# KiCad board panel.kicad_pcb
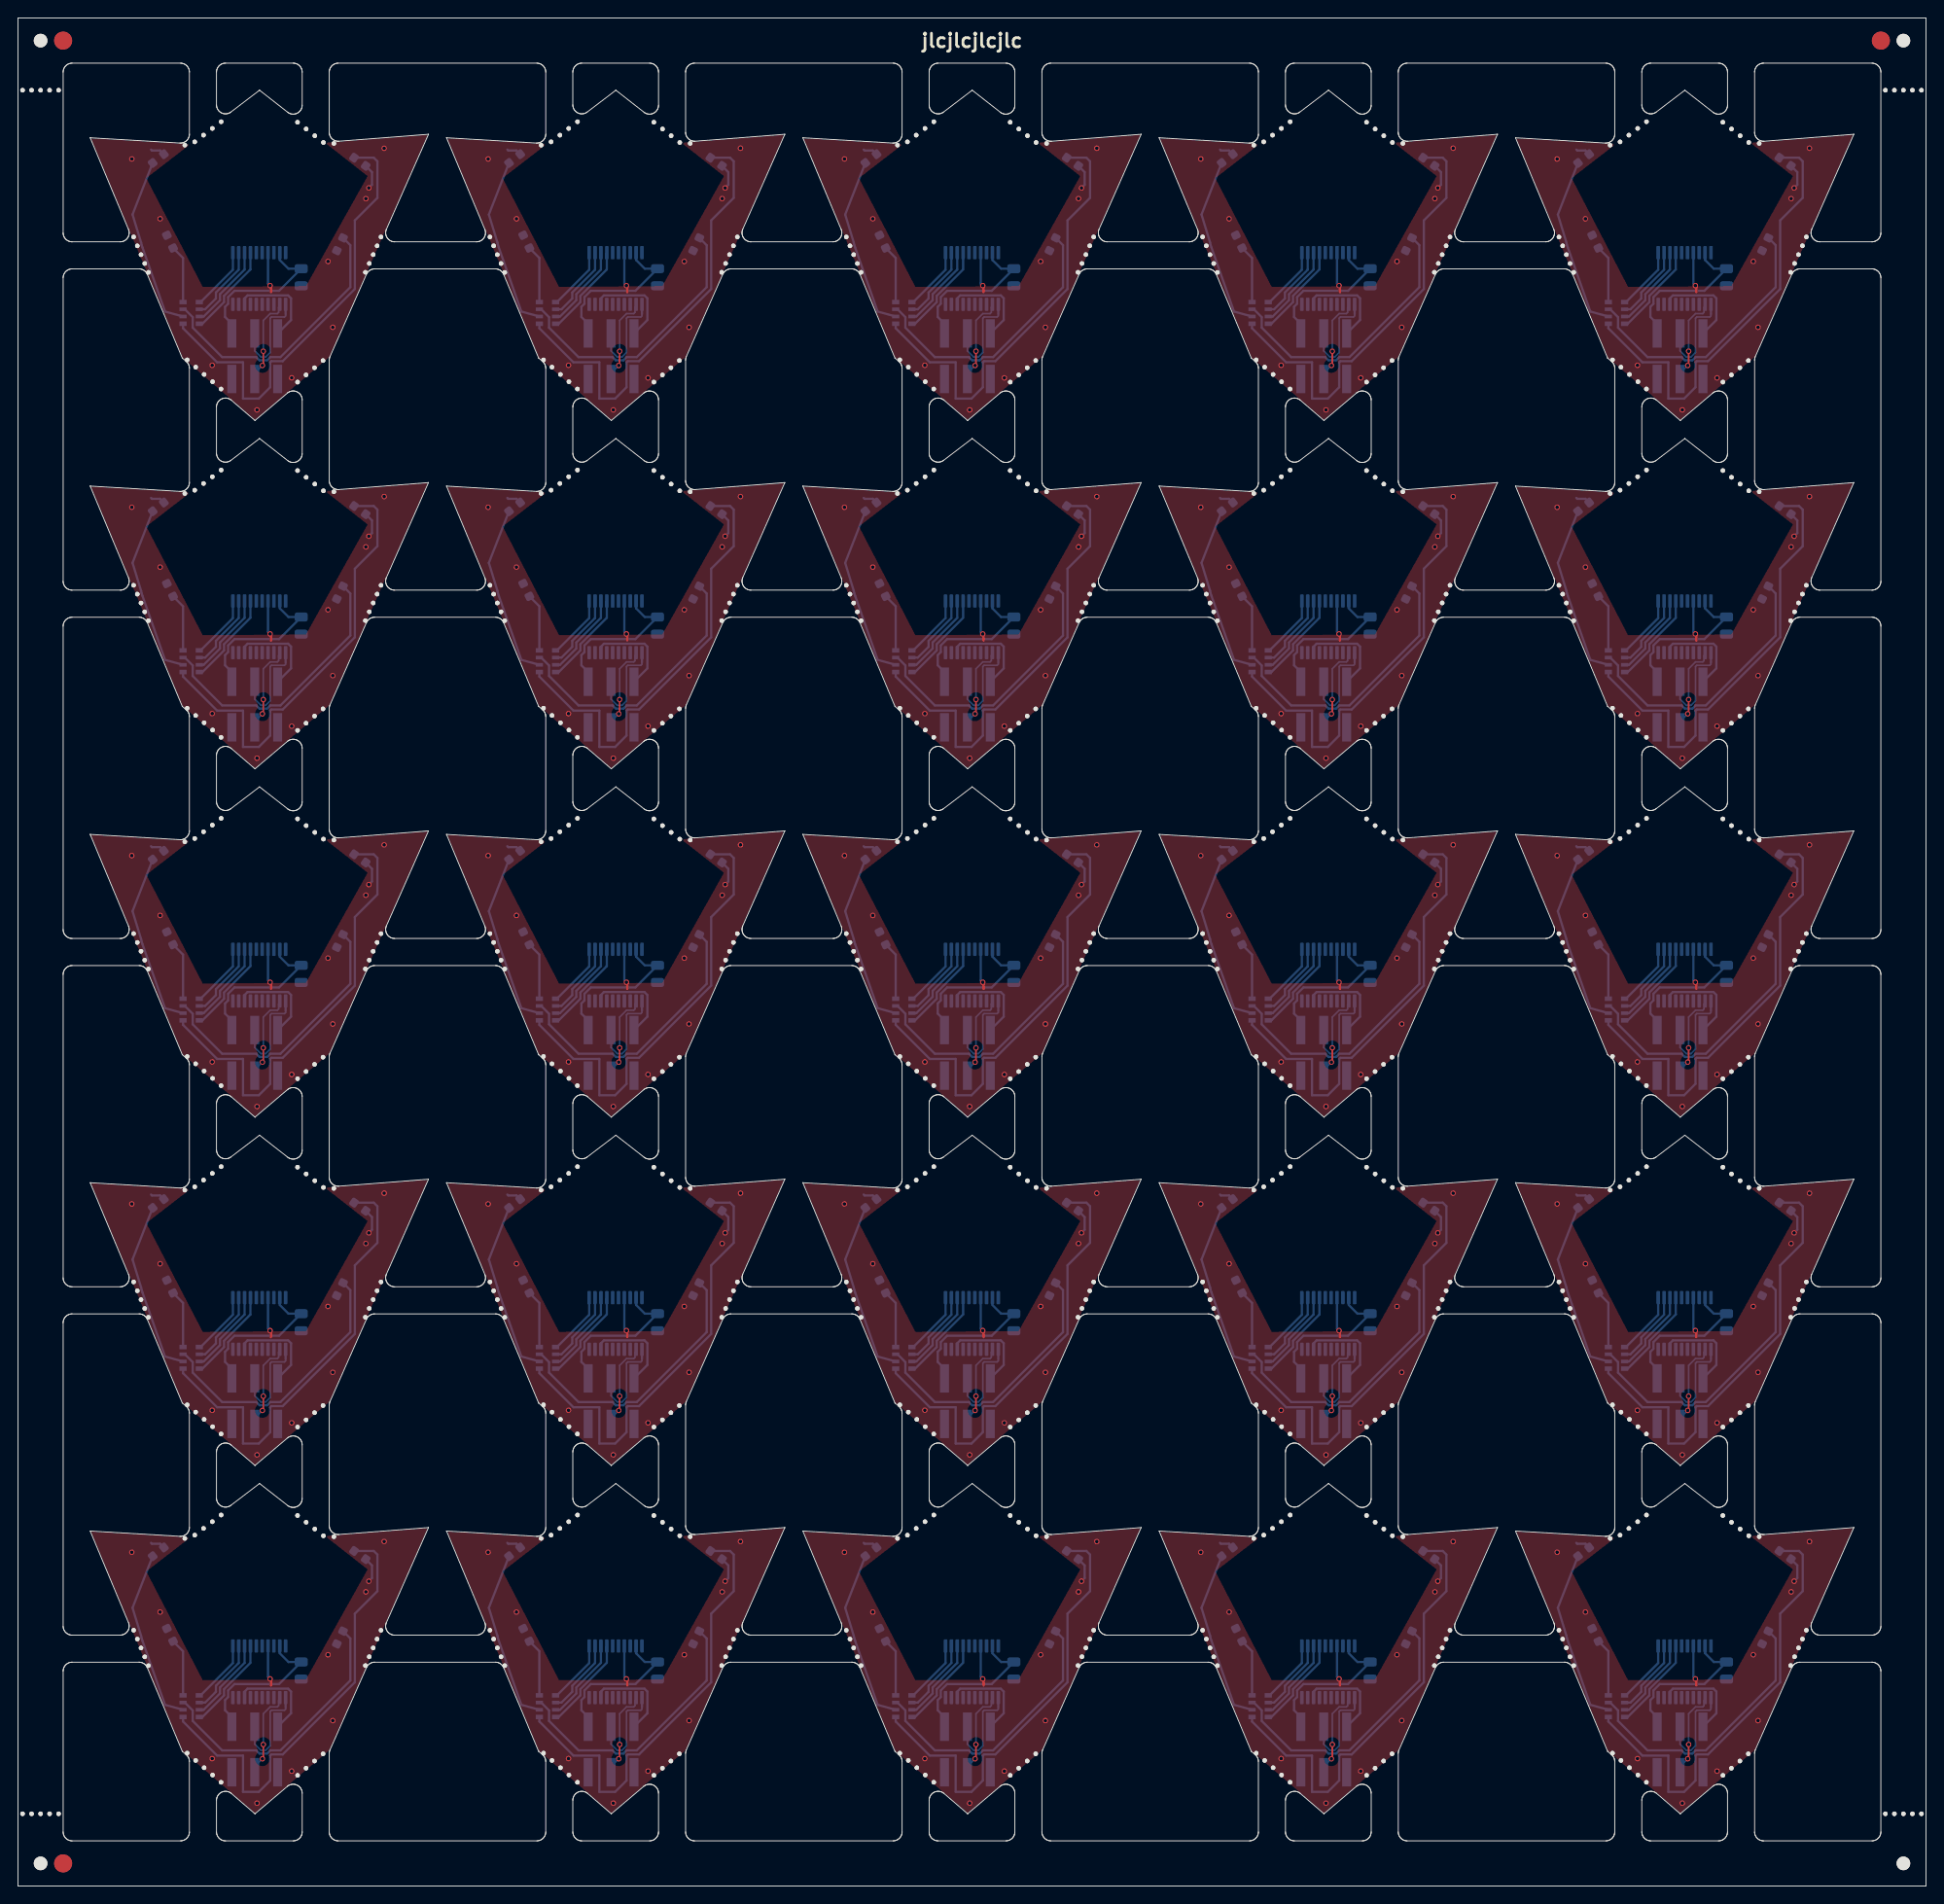
[diagram p0: board, top side]
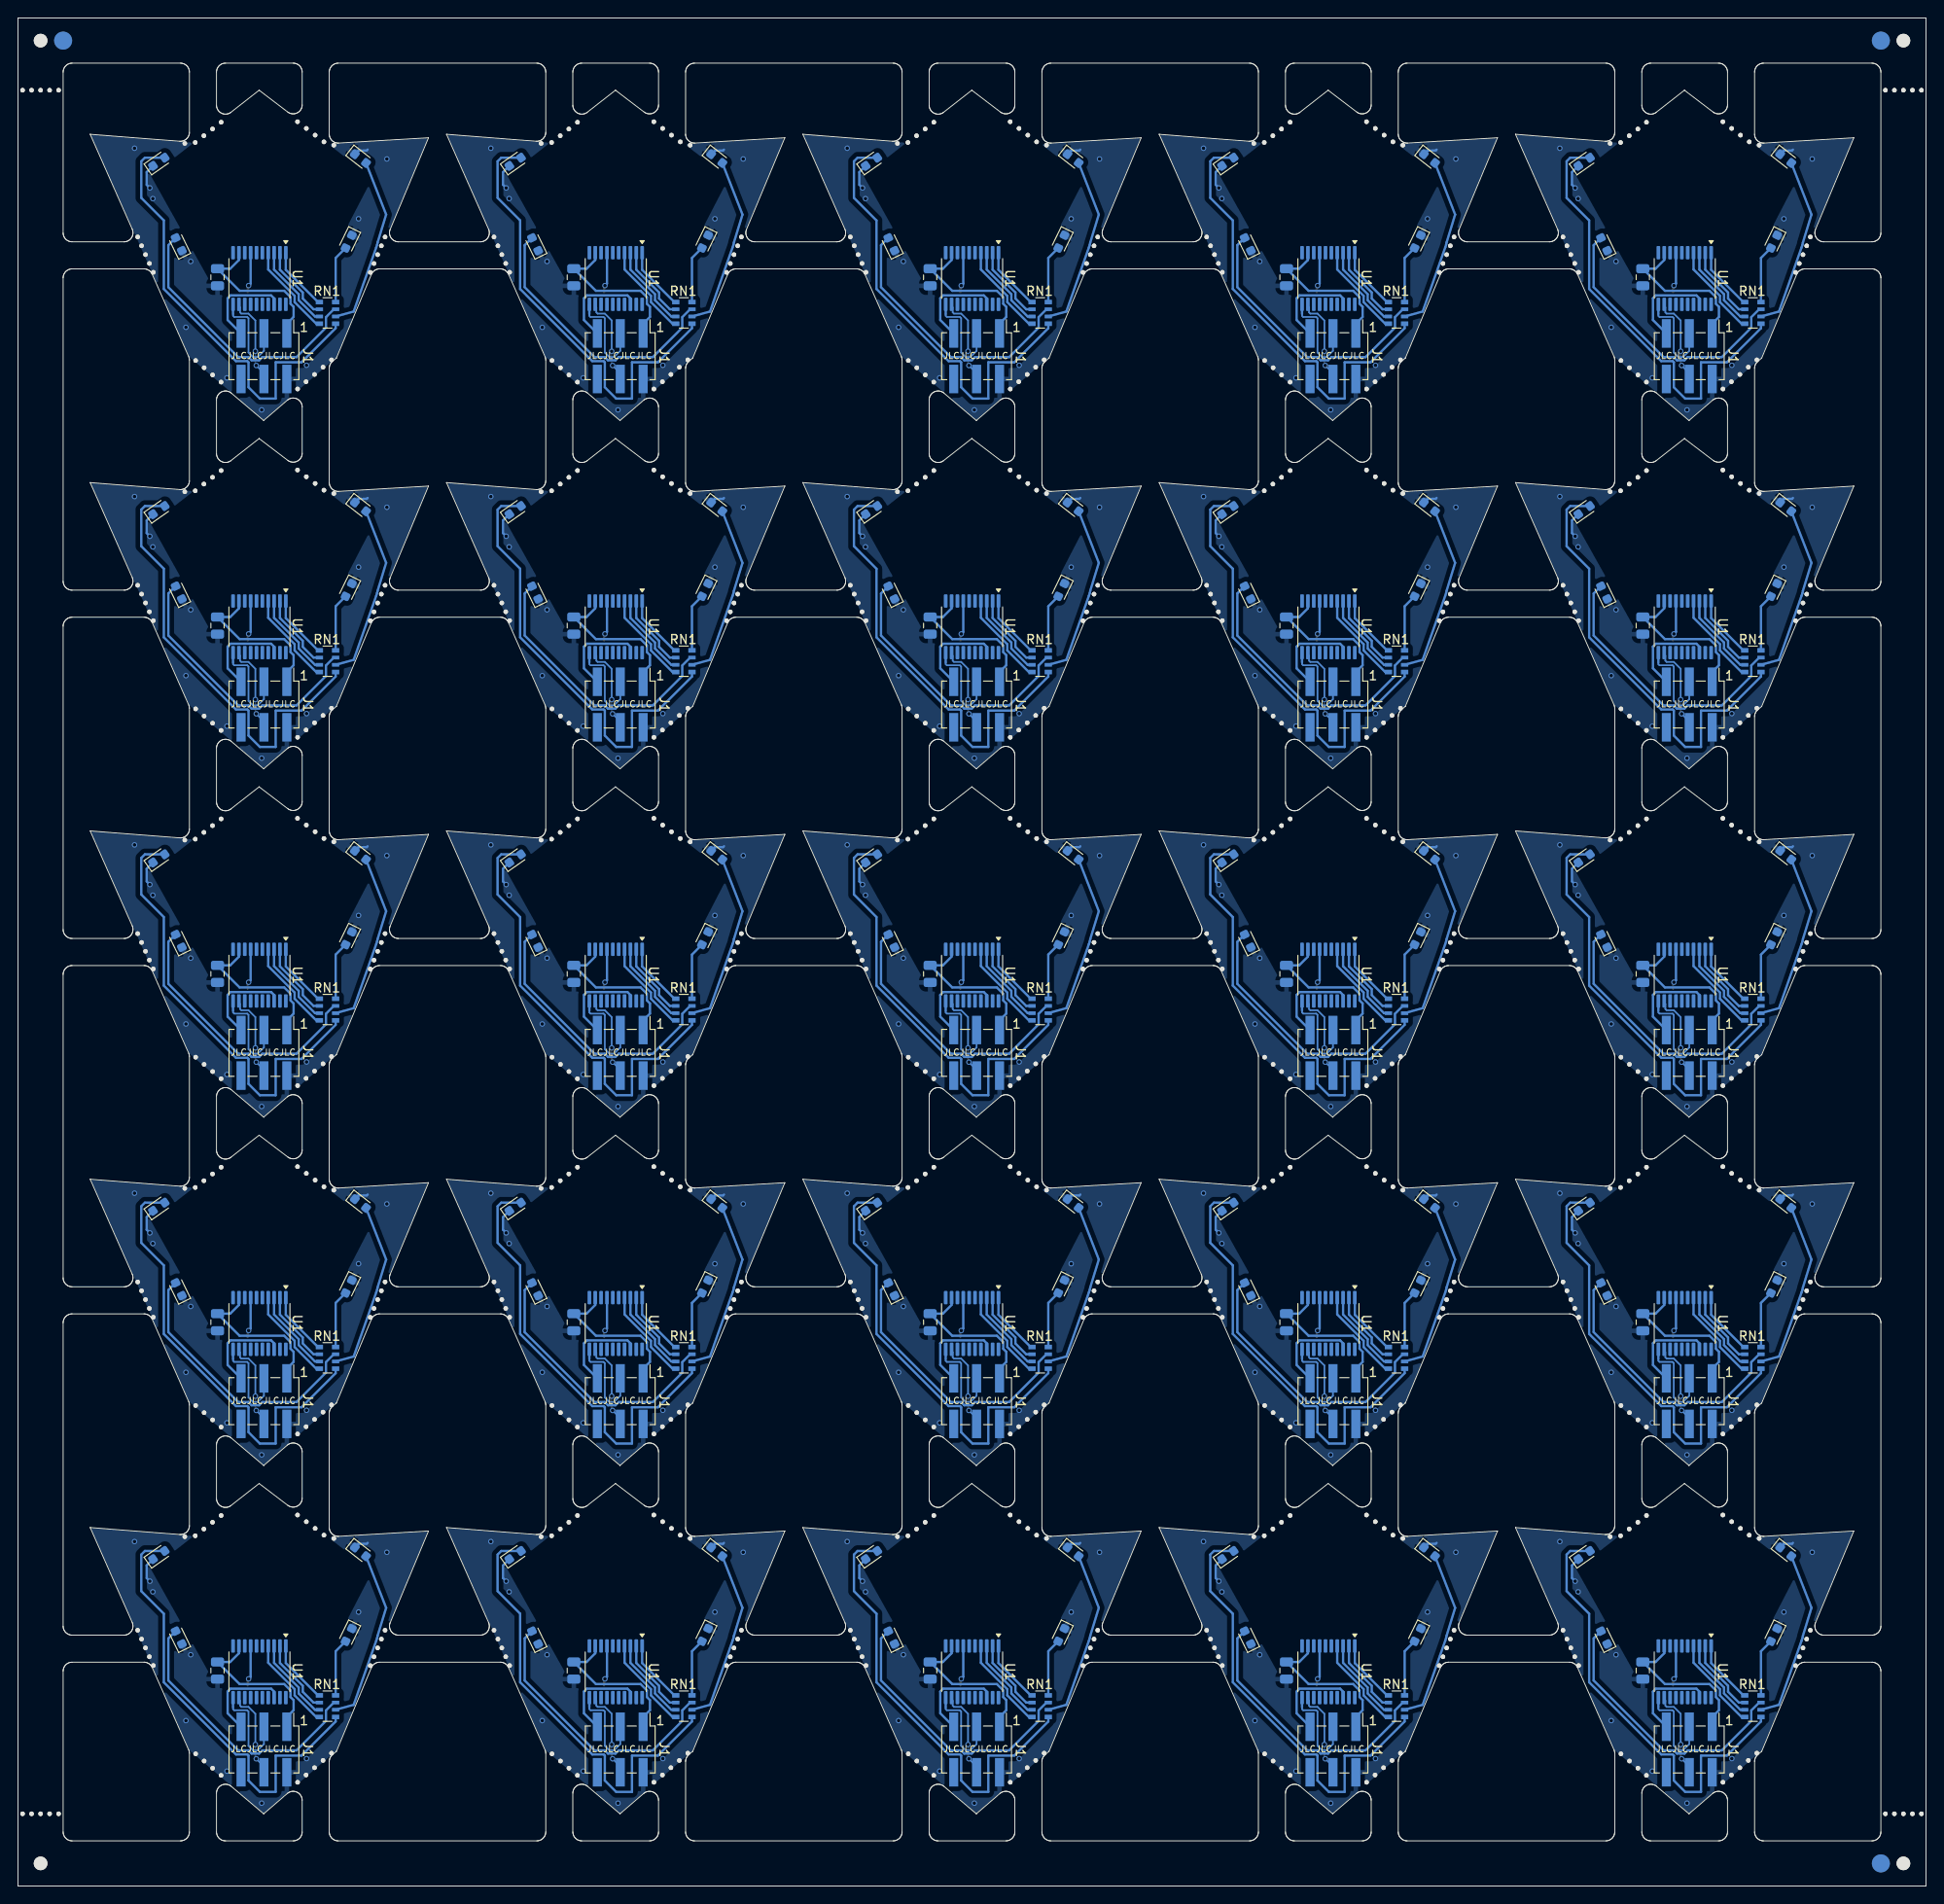
[diagram p1: board, bottom side, seen from below]

Outline 211.54 x 207.04 mm; copper layers: Top, Bottom. Coordinates in mm from the lower left corner of the outline.

## Placement (name value [footprint] x y rotation side)
C1  C_Small  [C_0805_2012Metric]  149.92 178.31 90 bottom
C1#2  C_Small  [C_0805_2012Metric]  189.43 62.48 90 bottom
C1#3  C_Small  [C_0805_2012Metric]  31.39 139.7 90 bottom
C1#4  C_Small  [C_0805_2012Metric]  70.9 62.48 90 bottom
C1#5  C_Small  [C_0805_2012Metric]  110.41 178.31 90 bottom
C1#6  C_Small  [C_0805_2012Metric]  189.43 139.7 90 bottom
C1#7  C_Small  [C_0805_2012Metric]  110.41 139.7 90 bottom
C1#8  C_Small  [C_0805_2012Metric]  31.39 23.88 90 bottom
C1#9  C_Small  [C_0805_2012Metric]  149.92 101.09 90 bottom
C1#10  C_Small  [C_0805_2012Metric]  110.41 101.09 90 bottom
C1#11  C_Small  [C_0805_2012Metric]  70.9 101.09 90 bottom
C1#12  C_Small  [C_0805_2012Metric]  189.43 178.31 90 bottom
C1#13  C_Small  [C_0805_2012Metric]  189.43 101.09 90 bottom
C1#14  C_Small  [C_0805_2012Metric]  31.39 101.09 90 bottom
C1#15  C_Small  [C_0805_2012Metric]  189.43 23.88 90 bottom
C1#16  C_Small  [C_0805_2012Metric]  149.92 62.48 90 bottom
C1#17  C_Small  [C_0805_2012Metric]  31.39 62.48 90 bottom
C1#18  C_Small  [C_0805_2012Metric]  70.9 23.88 90 bottom
C1#19  C_Small  [C_0805_2012Metric]  70.9 178.31 90 bottom
C1#20  C_Small  [C_0805_2012Metric]  31.39 178.31 90 bottom
C1#21  C_Small  [C_0805_2012Metric]  110.41 62.48 90 bottom
C1#22  C_Small  [C_0805_2012Metric]  149.92 139.7 90 bottom
C1#23  C_Small  [C_0805_2012Metric]  110.41 23.88 90 bottom
C1#24  C_Small  [C_0805_2012Metric]  70.9 139.7 90 bottom
C1#25  C_Small  [C_0805_2012Metric]  149.92 23.88 90 bottom
D2  LED_Small  [LED_0603_1608Metric]  16.84 182.26 296 bottom
D2#2  LED_Small  [LED_0603_1608Metric]  56.35 182.26 296 bottom
D2#3  LED_Small  [LED_0603_1608Metric]  95.86 27.83 296 bottom
D2#4  LED_Small  [LED_0603_1608Metric]  56.35 66.43 296 bottom
D2#5  LED_Small  [LED_0603_1608Metric]  95.86 66.43 296 bottom
D2#6  LED_Small  [LED_0603_1608Metric]  16.84 27.83 296 bottom
D2#7  LED_Small  [LED_0603_1608Metric]  56.35 105.04 296 bottom
D2#8  LED_Small  [LED_0603_1608Metric]  135.37 105.04 296 bottom
D2#9  LED_Small  [LED_0603_1608Metric]  95.86 143.65 296 bottom
D2#10  LED_Small  [LED_0603_1608Metric]  16.84 105.04 296 bottom
D2#11  LED_Small  [LED_0603_1608Metric]  95.86 105.04 296 bottom
D2#12  LED_Small  [LED_0603_1608Metric]  135.37 182.26 296 bottom
D2#13  LED_Small  [LED_0603_1608Metric]  16.84 143.65 296 bottom
D2#14  LED_Small  [LED_0603_1608Metric]  174.88 27.83 296 bottom
D2#15  LED_Small  [LED_0603_1608Metric]  135.37 66.43 296 bottom
D2#16  LED_Small  [LED_0603_1608Metric]  56.35 27.83 296 bottom
D2#17  LED_Small  [LED_0603_1608Metric]  135.37 143.65 296 bottom
D2#18  LED_Small  [LED_0603_1608Metric]  174.88 105.04 296 bottom
D2#19  LED_Small  [LED_0603_1608Metric]  135.37 27.83 296 bottom
D2#20  LED_Small  [LED_0603_1608Metric]  16.84 66.43 296 bottom
D2#21  LED_Small  [LED_0603_1608Metric]  56.35 143.65 296 bottom
D2#22  LED_Small  [LED_0603_1608Metric]  95.86 182.26 296 bottom
D2#23  LED_Small  [LED_0603_1608Metric]  174.88 143.65 296 bottom
D2#24  LED_Small  [LED_0603_1608Metric]  174.88 66.43 296 bottom
D2#25  LED_Small  [LED_0603_1608Metric]  174.88 182.26 296 bottom
D4  LED_Small  [LED_0603_1608Metric]  173.58 114.25 218 bottom
D4#2  LED_Small  [LED_0603_1608Metric]  173.58 37.03 218 bottom
D4#3  LED_Small  [LED_0603_1608Metric]  15.55 37.03 218 bottom
D4#4  LED_Small  [LED_0603_1608Metric]  15.55 152.86 218 bottom
D4#5  LED_Small  [LED_0603_1608Metric]  94.56 191.46 218 bottom
D4#6  LED_Small  [LED_0603_1608Metric]  173.58 75.64 218 bottom
D4#7  LED_Small  [LED_0603_1608Metric]  94.56 114.25 218 bottom
D4#8  LED_Small  [LED_0603_1608Metric]  55.06 37.03 218 bottom
D4#9  LED_Small  [LED_0603_1608Metric]  134.07 152.86 218 bottom
D4#10  LED_Small  [LED_0603_1608Metric]  15.55 75.64 218 bottom
D4#11  LED_Small  [LED_0603_1608Metric]  94.56 75.64 218 bottom
D4#12  LED_Small  [LED_0603_1608Metric]  15.55 191.46 218 bottom
D4#13  LED_Small  [LED_0603_1608Metric]  55.06 75.64 218 bottom
D4#14  LED_Small  [LED_0603_1608Metric]  134.07 75.64 218 bottom
D4#15  LED_Small  [LED_0603_1608Metric]  134.07 37.03 218 bottom
D4#16  LED_Small  [LED_0603_1608Metric]  173.58 152.86 218 bottom
D4#17  LED_Small  [LED_0603_1608Metric]  94.56 37.03 218 bottom
D4#18  LED_Small  [LED_0603_1608Metric]  134.07 191.46 218 bottom
D4#19  LED_Small  [LED_0603_1608Metric]  55.06 152.86 218 bottom
D4#20  LED_Small  [LED_0603_1608Metric]  134.07 114.25 218 bottom
D4#21  LED_Small  [LED_0603_1608Metric]  55.06 191.46 218 bottom
D4#22  LED_Small  [LED_0603_1608Metric]  55.06 114.25 218 bottom
D4#23  LED_Small  [LED_0603_1608Metric]  94.56 152.86 218 bottom
D4#24  LED_Small  [LED_0603_1608Metric]  173.58 191.46 218 bottom
D4#25  LED_Small  [LED_0603_1608Metric]  15.55 114.25 218 bottom
D6  LED_Small  [LED_0603_1608Metric]  193.72 66.14 64 bottom
D6#2  LED_Small  [LED_0603_1608Metric]  114.71 181.97 64 bottom
D6#3  LED_Small  [LED_0603_1608Metric]  193.72 27.53 64 bottom
D6#4  LED_Small  [LED_0603_1608Metric]  154.22 143.36 64 bottom
D6#5  LED_Small  [LED_0603_1608Metric]  35.69 104.75 64 bottom
D6#6  LED_Small  [LED_0603_1608Metric]  193.72 104.75 64 bottom
D6#7  LED_Small  [LED_0603_1608Metric]  193.72 143.36 64 bottom
D6#8  LED_Small  [LED_0603_1608Metric]  75.2 66.14 64 bottom
D6#9  LED_Small  [LED_0603_1608Metric]  114.71 104.75 64 bottom
D6#10  LED_Small  [LED_0603_1608Metric]  154.22 66.14 64 bottom
D6#11  LED_Small  [LED_0603_1608Metric]  35.69 143.36 64 bottom
D6#12  LED_Small  [LED_0603_1608Metric]  114.71 27.53 64 bottom
D6#13  LED_Small  [LED_0603_1608Metric]  35.69 27.53 64 bottom
D6#14  LED_Small  [LED_0603_1608Metric]  75.2 104.75 64 bottom
D6#15  LED_Small  [LED_0603_1608Metric]  154.22 104.75 64 bottom
D6#16  LED_Small  [LED_0603_1608Metric]  193.72 181.97 64 bottom
D6#17  LED_Small  [LED_0603_1608Metric]  75.2 27.53 64 bottom
D6#18  LED_Small  [LED_0603_1608Metric]  35.69 66.14 64 bottom
D6#19  LED_Small  [LED_0603_1608Metric]  154.22 27.53 64 bottom
D6#20  LED_Small  [LED_0603_1608Metric]  114.71 66.14 64 bottom
D6#21  LED_Small  [LED_0603_1608Metric]  114.71 143.36 64 bottom
D6#22  LED_Small  [LED_0603_1608Metric]  154.22 181.97 64 bottom
D6#23  LED_Small  [LED_0603_1608Metric]  35.69 181.97 64 bottom
D6#24  LED_Small  [LED_0603_1608Metric]  75.2 143.36 64 bottom
D6#25  LED_Small  [LED_0603_1608Metric]  75.2 181.97 64 bottom
D8  LED_Small  [LED_0603_1608Metric]  156.42 152.5 145 bottom
D8#2  LED_Small  [LED_0603_1608Metric]  77.41 36.68 145 bottom
D8#3  LED_Small  [LED_0603_1608Metric]  195.93 152.5 145 bottom
D8#4  LED_Small  [LED_0603_1608Metric]  116.92 191.11 145 bottom
D8#5  LED_Small  [LED_0603_1608Metric]  195.93 113.89 145 bottom
D8#6  LED_Small  [LED_0603_1608Metric]  37.9 113.89 145 bottom
D8#7  LED_Small  [LED_0603_1608Metric]  77.41 152.5 145 bottom
D8#8  LED_Small  [LED_0603_1608Metric]  37.9 191.11 145 bottom
D8#9  LED_Small  [LED_0603_1608Metric]  116.92 36.68 145 bottom
D8#10  LED_Small  [LED_0603_1608Metric]  37.9 75.29 145 bottom
D8#11  LED_Small  [LED_0603_1608Metric]  116.92 113.89 145 bottom
D8#12  LED_Small  [LED_0603_1608Metric]  77.41 113.89 145 bottom
D8#13  LED_Small  [LED_0603_1608Metric]  77.41 191.11 145 bottom
D8#14  LED_Small  [LED_0603_1608Metric]  195.93 36.68 145 bottom
D8#15  LED_Small  [LED_0603_1608Metric]  195.93 75.29 145 bottom
D8#16  LED_Small  [LED_0603_1608Metric]  116.92 75.29 145 bottom
D8#17  LED_Small  [LED_0603_1608Metric]  116.92 152.5 145 bottom
D8#18  LED_Small  [LED_0603_1608Metric]  156.42 36.68 145 bottom
D8#19  LED_Small  [LED_0603_1608Metric]  156.42 191.11 145 bottom
D8#20  LED_Small  [LED_0603_1608Metric]  195.93 191.11 145 bottom
D8#21  LED_Small  [LED_0603_1608Metric]  156.42 75.29 145 bottom
D8#22  LED_Small  [LED_0603_1608Metric]  156.42 113.89 145 bottom
D8#23  LED_Small  [LED_0603_1608Metric]  77.41 75.29 145 bottom
D8#24  LED_Small  [LED_0603_1608Metric]  37.9 36.68 145 bottom
D8#25  LED_Small  [LED_0603_1608Metric]  37.9 152.5 145 bottom
G***  -  [LOGO]  66.45 64.53 0 top
G***#2  -  [LOGO]  66.45 64.53 0 top
G***#3  -  [LOGO]  145.47 180.36 0 top
G***#4  -  [LOGO]  145.47 64.53 0 top
G***#5  -  [LOGO]  66.45 103.14 0 top
G***#6  -  [LOGO]  26.94 25.93 0 top
G***#7  -  [LOGO]  105.96 180.36 0 top
G***#8  -  [LOGO]  66.45 103.14 0 top
G***#9  -  [LOGO]  184.98 180.36 0 top
G***#10  -  [LOGO]  184.98 64.53 0 top
G***#11  -  [LOGO]  66.45 141.75 0 top
G***#12  -  [LOGO]  26.94 64.53 0 top
G***#13  -  [LOGO]  66.45 180.36 0 top
G***#14  -  [LOGO]  184.98 180.36 0 top
G***#15  -  [LOGO]  26.94 64.53 0 top
G***#16  -  [LOGO]  105.96 180.36 0 top
G***#17  -  [LOGO]  184.98 141.75 0 top
G***#18  -  [LOGO]  145.47 25.93 0 top
G***#19  -  [LOGO]  105.96 25.93 0 top
G***#20  -  [LOGO]  184.98 103.14 0 top
G***#21  -  [LOGO]  26.94 25.93 0 top
G***#22  -  [LOGO]  66.45 25.93 0 top
G***#23  -  [LOGO]  184.98 25.93 0 top
G***#24  -  [LOGO]  184.98 141.75 0 top
G***#25  -  [LOGO]  66.45 180.36 0 top
G***#26  -  [LOGO]  105.96 141.75 0 top
G***#27  -  [LOGO]  145.47 25.93 0 top
G***#28  -  [LOGO]  105.96 103.14 0 top
G***#29  -  [LOGO]  105.96 64.53 0 top
G***#30  -  [LOGO]  26.94 141.75 0 top
G***#31  -  [LOGO]  145.47 103.14 0 top
G***#32  -  [LOGO]  145.47 64.53 0 top
G***#33  -  [LOGO]  145.47 180.36 0 top
G***#34  -  [LOGO]  66.45 25.93 0 top
G***#35  -  [LOGO]  26.94 103.14 0 top
G***#36  -  [LOGO]  145.47 141.75 0 top
G***#37  -  [LOGO]  26.94 141.75 0 top
G***#38  -  [LOGO]  145.47 141.75 0 top
G***#39  -  [LOGO]  26.94 180.36 0 top
G***#40  -  [LOGO]  66.45 141.75 0 top
G***#41  -  [LOGO]  105.96 103.14 0 top
G***#42  -  [LOGO]  105.96 141.75 0 top
G***#43  -  [LOGO]  184.98 25.93 0 top
G***#44  -  [LOGO]  26.94 103.14 0 top
G***#45  -  [LOGO]  26.94 180.36 0 top
G***#46  -  [LOGO]  184.98 103.14 0 top
G***#47  -  [LOGO]  105.96 25.93 0 top
G***#48  -  [LOGO]  184.98 64.53 0 top
G***#49  -  [LOGO]  145.47 103.14 0 top
G***#50  -  [LOGO]  105.96 64.53 0 top
J1  Conn_02x03_Odd_Even  [PinHeader_2x03_P2.54mm_Vertical_SMD]  144.77 130.95 270 bottom
J1#2  Conn_02x03_Odd_Even  [PinHeader_2x03_P2.54mm_Vertical_SMD]  144.77 53.73 270 bottom
J1#3  Conn_02x03_Odd_Even  [PinHeader_2x03_P2.54mm_Vertical_SMD]  184.28 53.73 270 bottom
J1#4  Conn_02x03_Odd_Even  [PinHeader_2x03_P2.54mm_Vertical_SMD]  105.26 92.34 270 bottom
J1#5  Conn_02x03_Odd_Even  [PinHeader_2x03_P2.54mm_Vertical_SMD]  105.26 130.95 270 bottom
J1#6  Conn_02x03_Odd_Even  [PinHeader_2x03_P2.54mm_Vertical_SMD]  105.26 53.73 270 bottom
J1#7  Conn_02x03_Odd_Even  [PinHeader_2x03_P2.54mm_Vertical_SMD]  144.77 169.56 270 bottom
J1#8  Conn_02x03_Odd_Even  [PinHeader_2x03_P2.54mm_Vertical_SMD]  65.75 53.73 270 bottom
J1#9  Conn_02x03_Odd_Even  [PinHeader_2x03_P2.54mm_Vertical_SMD]  105.26 15.13 270 bottom
J1#10  Conn_02x03_Odd_Even  [PinHeader_2x03_P2.54mm_Vertical_SMD]  184.28 130.95 270 bottom
J1#11  Conn_02x03_Odd_Even  [PinHeader_2x03_P2.54mm_Vertical_SMD]  105.26 169.56 270 bottom
J1#12  Conn_02x03_Odd_Even  [PinHeader_2x03_P2.54mm_Vertical_SMD]  26.24 53.73 270 bottom
J1#13  Conn_02x03_Odd_Even  [PinHeader_2x03_P2.54mm_Vertical_SMD]  184.28 169.56 270 bottom
J1#14  Conn_02x03_Odd_Even  [PinHeader_2x03_P2.54mm_Vertical_SMD]  184.28 15.13 270 bottom
J1#15  Conn_02x03_Odd_Even  [PinHeader_2x03_P2.54mm_Vertical_SMD]  144.77 15.13 270 bottom
J1#16  Conn_02x03_Odd_Even  [PinHeader_2x03_P2.54mm_Vertical_SMD]  65.75 169.56 270 bottom
J1#17  Conn_02x03_Odd_Even  [PinHeader_2x03_P2.54mm_Vertical_SMD]  65.75 15.13 270 bottom
J1#18  Conn_02x03_Odd_Even  [PinHeader_2x03_P2.54mm_Vertical_SMD]  65.75 130.95 270 bottom
J1#19  Conn_02x03_Odd_Even  [PinHeader_2x03_P2.54mm_Vertical_SMD]  26.24 92.34 270 bottom
J1#20  Conn_02x03_Odd_Even  [PinHeader_2x03_P2.54mm_Vertical_SMD]  26.24 15.13 270 bottom
J1#21  Conn_02x03_Odd_Even  [PinHeader_2x03_P2.54mm_Vertical_SMD]  26.24 169.56 270 bottom
J1#22  Conn_02x03_Odd_Even  [PinHeader_2x03_P2.54mm_Vertical_SMD]  65.75 92.34 270 bottom
J1#23  Conn_02x03_Odd_Even  [PinHeader_2x03_P2.54mm_Vertical_SMD]  26.24 130.95 270 bottom
J1#24  Conn_02x03_Odd_Even  [PinHeader_2x03_P2.54mm_Vertical_SMD]  184.28 92.34 270 bottom
J1#25  Conn_02x03_Odd_Even  [PinHeader_2x03_P2.54mm_Vertical_SMD]  144.77 92.34 270 bottom
KiKit_FID_B_1  -  [Fiducial]  5 204.54 180 bottom
KiKit_FID_B_2  -  [Fiducial]  206.54 204.54 180 bottom
KiKit_FID_B_3  -  [Fiducial]  5 2.5 180 bottom
KiKit_FID_T_1  -  [Fiducial]  5 204.54 0 top
KiKit_FID_T_2  -  [Fiducial]  206.54 204.54 0 top
KiKit_FID_T_3  -  [Fiducial]  5 2.5 0 top
KiKit_MB_1_1  -  [NPTH]  14.46 178.85 0 top
KiKit_MB_1_2  -  [NPTH]  14.05 179.83 0 top
KiKit_MB_1_3  -  [NPTH]  13.64 180.81 0 top
KiKit_MB_1_4  -  [NPTH]  13.23 181.79 0 top
KiKit_MB_1_5  -  [NPTH]  12.82 182.77 0 top
KiKit_MB_2_1  -  [NPTH]  40.24 182.77 0 top
KiKit_MB_2_2  -  [NPTH]  39.81 181.79 0 top
KiKit_MB_2_3  -  [NPTH]  39.38 180.82 0 top
KiKit_MB_2_4  -  [NPTH]  38.94 179.84 0 top
KiKit_MB_2_5  -  [NPTH]  38.51 178.86 0 top
KiKit_MB_3_1  -  [NPTH]  18.49 192.95 0 top
KiKit_MB_3_2  -  [NPTH]  19.59 193.31 0 top
KiKit_MB_3_3  -  [NPTH]  20.57 194.06 0 top
KiKit_MB_3_4  -  [NPTH]  21.54 194.8 0 top
KiKit_MB_3_5  -  [NPTH]  22.52 195.55 0 top
KiKit_MB_4_1  -  [NPTH]  30.99 195.49 0 top
KiKit_MB_4_2  -  [NPTH]  31.95 194.74 0 top
KiKit_MB_4_3  -  [NPTH]  32.9 193.99 0 top
KiKit_MB_4_4  -  [NPTH]  33.86 193.24 0 top
KiKit_MB_4_5  -  [NPTH]  35.02 193.14 0 top
KiKit_MB_5_1  -  [NPTH]  22.51 165.92 0 top
KiKit_MB_5_2  -  [NPTH]  21.57 166.73 0 top
KiKit_MB_5_3  -  [NPTH]  20.63 167.54 0 top
KiKit_MB_5_4  -  [NPTH]  19.69 168.34 0 top
KiKit_MB_5_5  -  [NPTH]  18.75 169.15 0 top
KiKit_MB_6_2  -  [NPTH]  33.82 169.08 0 top
KiKit_MB_6_3  -  [NPTH]  32.88 168.28 0 top
KiKit_MB_6_4  -  [NPTH]  31.94 167.48 0 top
KiKit_MB_6_5  -  [NPTH]  30.99 166.69 0 top
KiKit_MB_7_1  -  [NPTH]  53.96 178.85 0 top
KiKit_MB_7_2  -  [NPTH]  53.55 179.83 0 top
KiKit_MB_7_3  -  [NPTH]  53.14 180.81 0 top
KiKit_MB_7_4  -  [NPTH]  52.73 181.79 0 top
KiKit_MB_7_5  -  [NPTH]  52.32 182.77 0 top
KiKit_MB_8_1  -  [NPTH]  79.75 182.77 0 top
KiKit_MB_8_2  -  [NPTH]  79.32 181.79 0 top
KiKit_MB_8_3  -  [NPTH]  78.89 180.82 0 top
KiKit_MB_8_4  -  [NPTH]  78.45 179.84 0 top
KiKit_MB_8_5  -  [NPTH]  78.02 178.86 0 top
KiKit_MB_9_1  -  [NPTH]  58 192.95 0 top
KiKit_MB_9_2  -  [NPTH]  59.1 193.31 0 top
KiKit_MB_9_3  -  [NPTH]  60.08 194.06 0 top
KiKit_MB_9_4  -  [NPTH]  61.05 194.8 0 top
KiKit_MB_9_5  -  [NPTH]  62.03 195.55 0 top
KiKit_MB_10_1  -  [NPTH]  70.5 195.49 0 top
KiKit_MB_10_2  -  [NPTH]  71.45 194.74 0 top
KiKit_MB_10_3  -  [NPTH]  72.41 193.99 0 top
KiKit_MB_10_4  -  [NPTH]  73.37 193.24 0 top
KiKit_MB_10_5  -  [NPTH]  74.53 193.14 0 top
KiKit_MB_11_1  -  [NPTH]  62.02 165.92 0 top
KiKit_MB_11_2  -  [NPTH]  61.08 166.73 0 top
KiKit_MB_11_3  -  [NPTH]  60.14 167.54 0 top
KiKit_MB_11_4  -  [NPTH]  59.2 168.34 0 top
KiKit_MB_11_5  -  [NPTH]  58.26 169.15 0 top
KiKit_MB_12_2  -  [NPTH]  73.33 169.08 0 top
KiKit_MB_12_3  -  [NPTH]  72.39 168.28 0 top
KiKit_MB_12_4  -  [NPTH]  71.44 167.48 0 top
KiKit_MB_12_5  -  [NPTH]  70.5 166.69 0 top
KiKit_MB_13_1  -  [NPTH]  93.47 178.85 0 top
KiKit_MB_13_2  -  [NPTH]  93.06 179.83 0 top
KiKit_MB_13_3  -  [NPTH]  92.65 180.81 0 top
KiKit_MB_13_4  -  [NPTH]  92.24 181.79 0 top
KiKit_MB_13_5  -  [NPTH]  91.83 182.77 0 top
KiKit_MB_14_1  -  [NPTH]  119.26 182.77 0 top
KiKit_MB_14_2  -  [NPTH]  118.83 181.79 0 top
KiKit_MB_14_3  -  [NPTH]  118.39 180.82 0 top
KiKit_MB_14_4  -  [NPTH]  117.96 179.84 0 top
KiKit_MB_14_5  -  [NPTH]  117.53 178.86 0 top
KiKit_MB_15_1  -  [NPTH]  97.51 192.95 0 top
KiKit_MB_15_2  -  [NPTH]  98.61 193.31 0 top
KiKit_MB_15_3  -  [NPTH]  99.59 194.06 0 top
KiKit_MB_15_4  -  [NPTH]  100.56 194.8 0 top
KiKit_MB_15_5  -  [NPTH]  101.54 195.55 0 top
KiKit_MB_16_1  -  [NPTH]  110.01 195.49 0 top
KiKit_MB_16_2  -  [NPTH]  110.96 194.74 0 top
KiKit_MB_16_3  -  [NPTH]  111.92 193.99 0 top
KiKit_MB_16_4  -  [NPTH]  112.88 193.24 0 top
KiKit_MB_16_5  -  [NPTH]  114.04 193.14 0 top
KiKit_MB_17_1  -  [NPTH]  101.53 165.92 0 top
KiKit_MB_17_2  -  [NPTH]  100.59 166.73 0 top
KiKit_MB_17_3  -  [NPTH]  99.65 167.54 0 top
KiKit_MB_17_4  -  [NPTH]  98.71 168.34 0 top
KiKit_MB_17_5  -  [NPTH]  97.77 169.15 0 top
KiKit_MB_18_2  -  [NPTH]  112.83 169.08 0 top
KiKit_MB_18_3  -  [NPTH]  111.89 168.28 0 top
KiKit_MB_18_4  -  [NPTH]  110.95 167.48 0 top
KiKit_MB_18_5  -  [NPTH]  110.01 166.69 0 top
KiKit_MB_19_1  -  [NPTH]  132.98 178.85 0 top
KiKit_MB_19_2  -  [NPTH]  132.57 179.83 0 top
KiKit_MB_19_3  -  [NPTH]  132.16 180.81 0 top
KiKit_MB_19_4  -  [NPTH]  131.75 181.79 0 top
KiKit_MB_19_5  -  [NPTH]  131.34 182.77 0 top
KiKit_MB_20_1  -  [NPTH]  158.77 182.77 0 top
KiKit_MB_20_2  -  [NPTH]  158.34 181.79 0 top
KiKit_MB_20_3  -  [NPTH]  157.9 180.82 0 top
KiKit_MB_20_4  -  [NPTH]  157.47 179.84 0 top
KiKit_MB_20_5  -  [NPTH]  157.04 178.86 0 top
KiKit_MB_21_1  -  [NPTH]  137.02 192.95 0 top
KiKit_MB_21_2  -  [NPTH]  138.12 193.31 0 top
KiKit_MB_21_3  -  [NPTH]  139.09 194.06 0 top
KiKit_MB_21_4  -  [NPTH]  140.07 194.8 0 top
KiKit_MB_21_5  -  [NPTH]  141.05 195.55 0 top
KiKit_MB_22_1  -  [NPTH]  149.51 195.49 0 top
KiKit_MB_22_2  -  [NPTH]  150.47 194.74 0 top
KiKit_MB_22_3  -  [NPTH]  151.43 193.99 0 top
KiKit_MB_22_4  -  [NPTH]  152.39 193.24 0 top
KiKit_MB_22_5  -  [NPTH]  153.55 193.14 0 top
KiKit_MB_23_1  -  [NPTH]  141.04 165.92 0 top
KiKit_MB_23_2  -  [NPTH]  140.1 166.73 0 top
KiKit_MB_23_3  -  [NPTH]  139.16 167.54 0 top
KiKit_MB_23_4  -  [NPTH]  138.22 168.34 0 top
KiKit_MB_23_5  -  [NPTH]  137.28 169.15 0 top
KiKit_MB_24_2  -  [NPTH]  152.34 169.08 0 top
KiKit_MB_24_3  -  [NPTH]  151.4 168.28 0 top
KiKit_MB_24_4  -  [NPTH]  150.46 167.48 0 top
KiKit_MB_24_5  -  [NPTH]  149.52 166.69 0 top
KiKit_MB_25_1  -  [NPTH]  172.49 178.85 0 top
KiKit_MB_25_2  -  [NPTH]  172.08 179.83 0 top
KiKit_MB_25_3  -  [NPTH]  171.67 180.81 0 top
KiKit_MB_25_4  -  [NPTH]  171.26 181.79 0 top
KiKit_MB_25_5  -  [NPTH]  170.85 182.77 0 top
KiKit_MB_26_1  -  [NPTH]  198.28 182.77 0 top